# KiCad board EspDevBoard.kicad_pcb
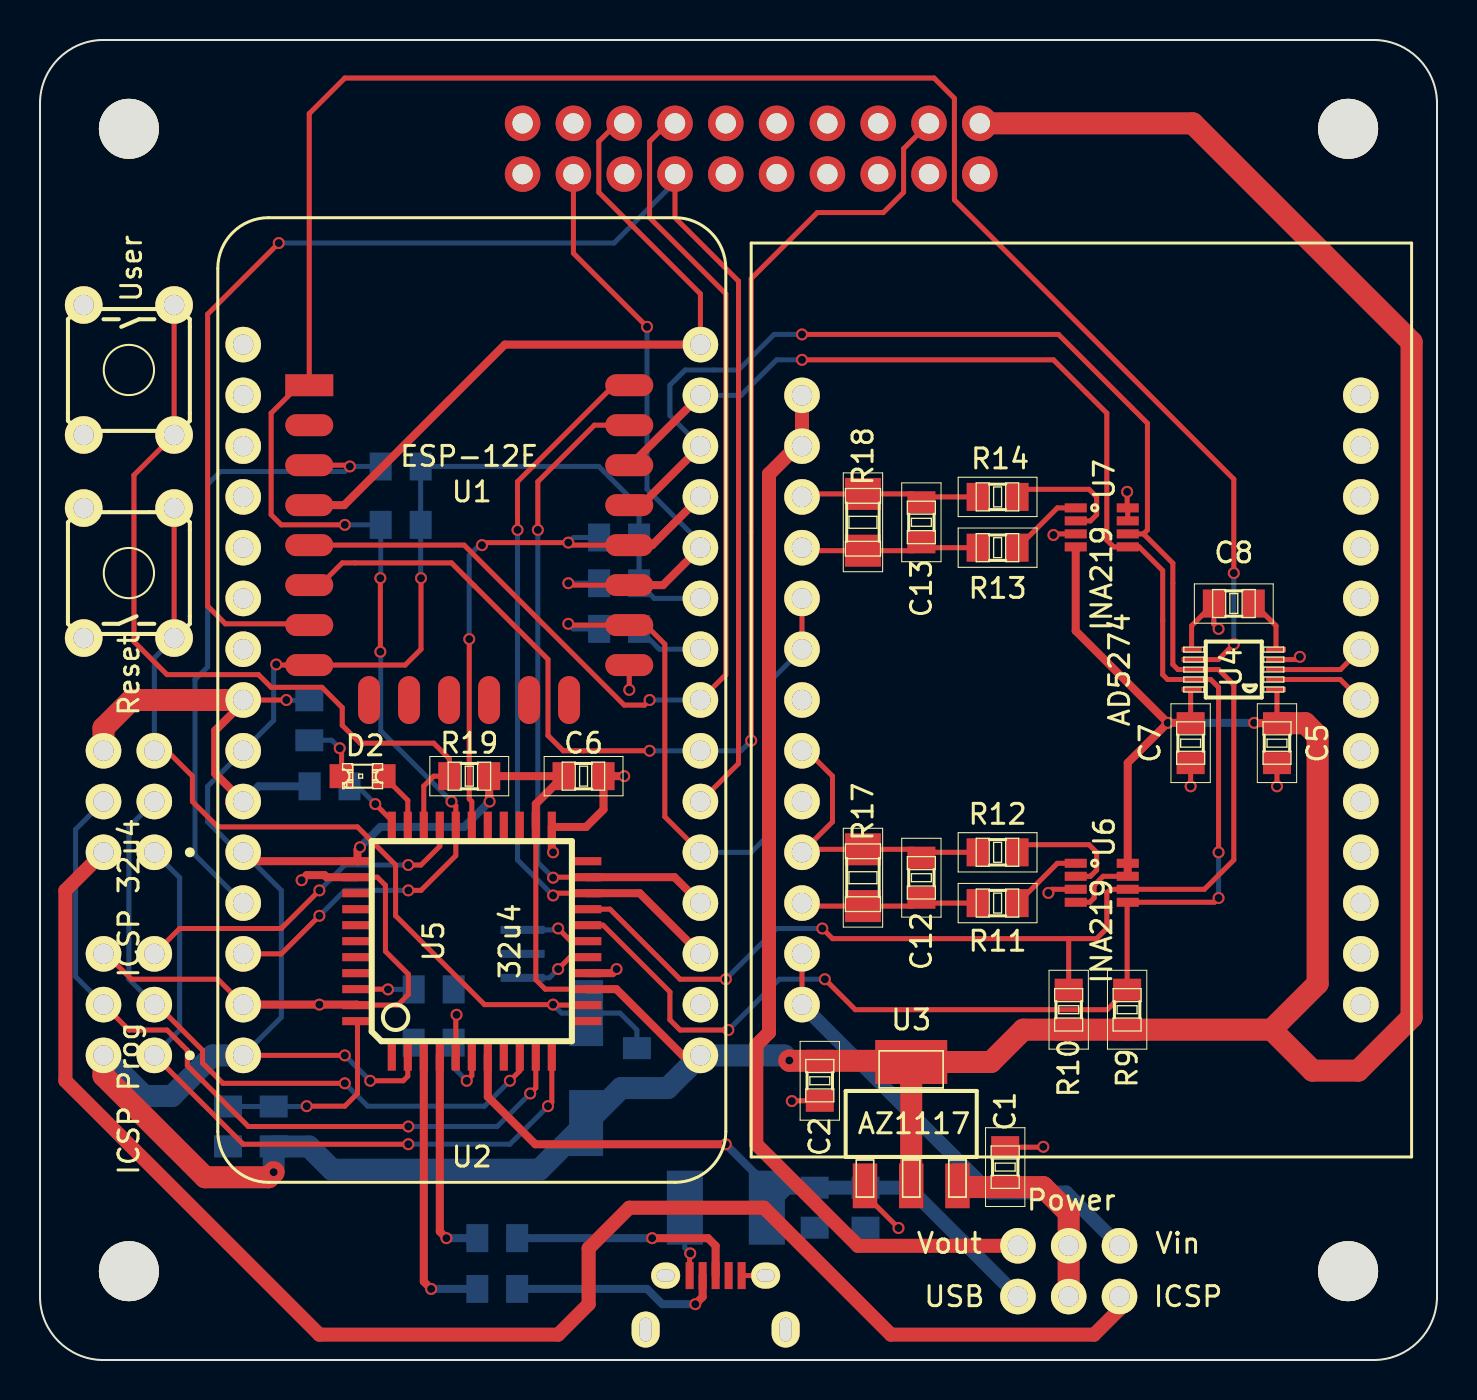
[diagram p0: board, top side]
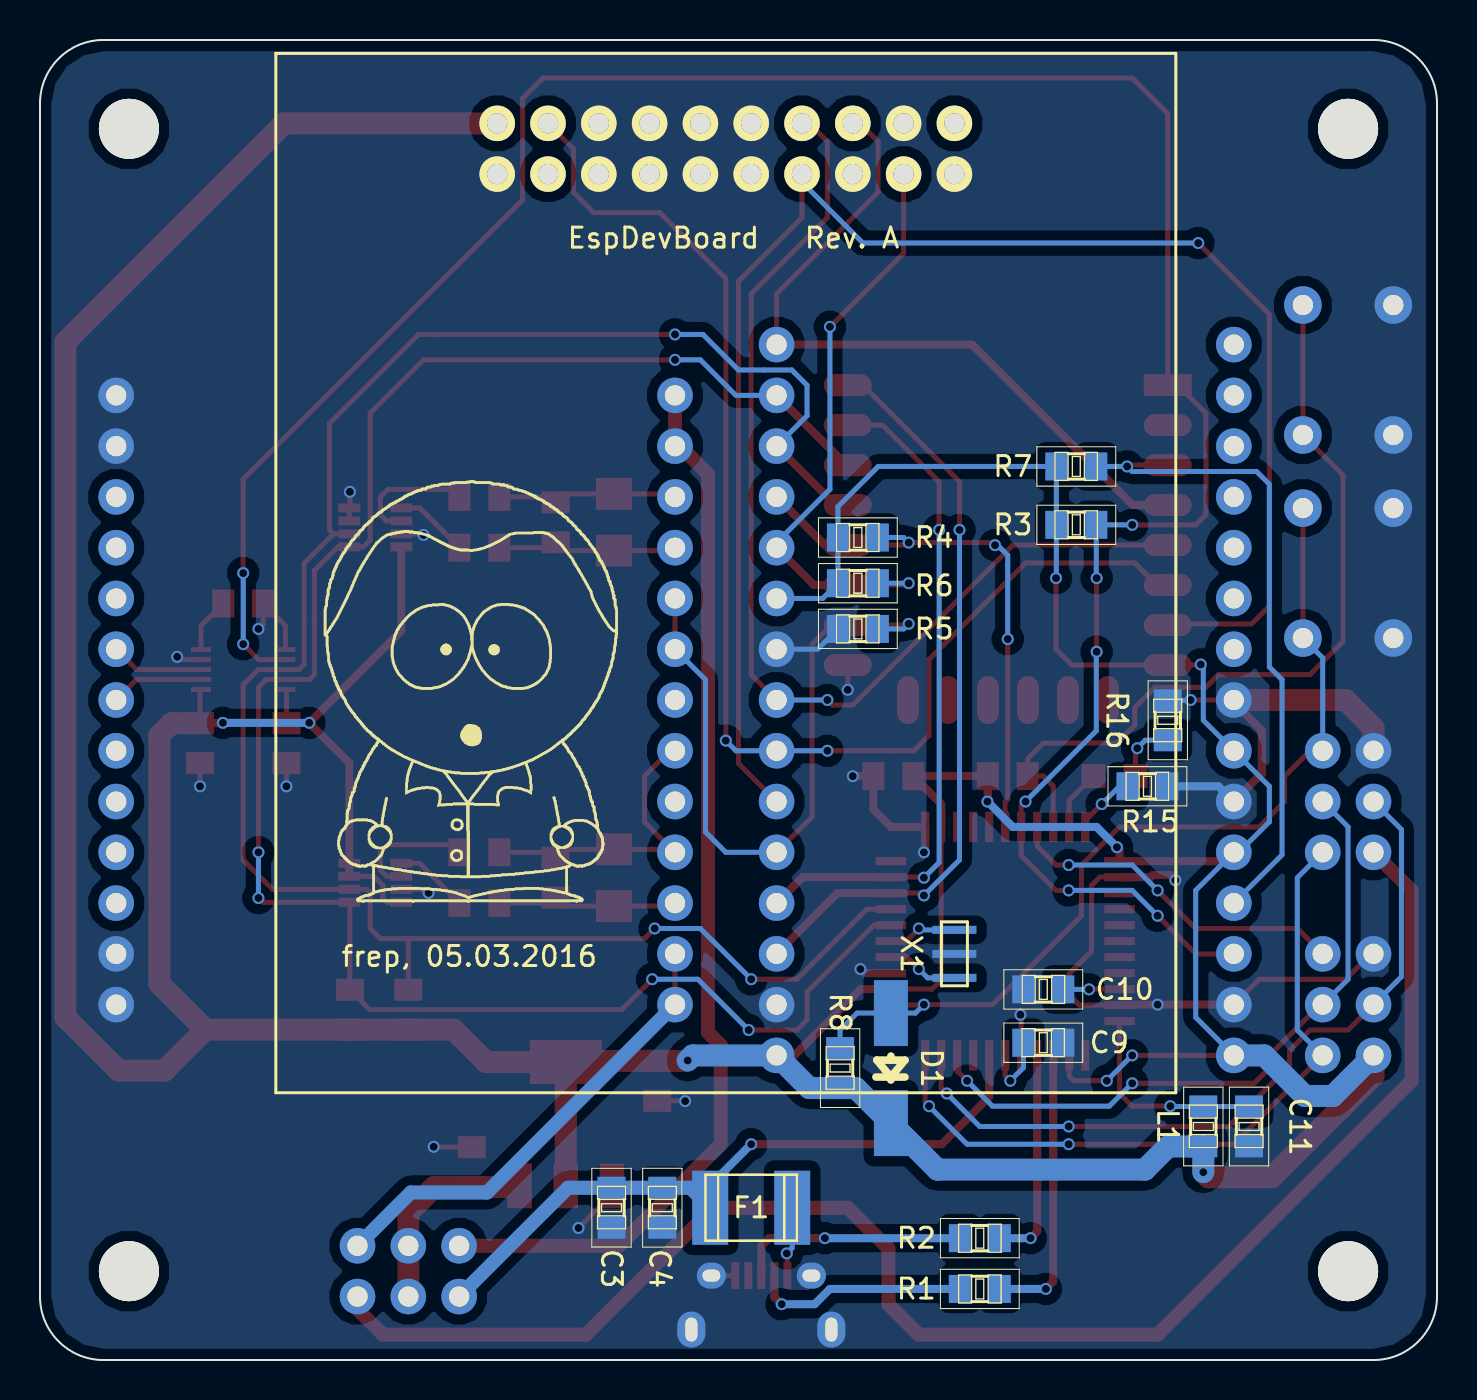
[diagram p1: board, bottom side, seen from below]

Outline 69.85 x 66.04 mm; copper layers: Top, Bottom. Coordinates in mm from the lower left corner of the outline.
Outline path: 0,62.87 arc(0.93,65.11) 3.17,66.04 66.67,66.04 arc(68.92,65.11) 69.85,62.87 69.85,3.18 arc(68.92,0.93) 66.67,0 3.17,0 arc(0.93,0.93) 0,3.18 0,62.87

## Placement (name value [footprint] x y rotation side)
C1  4u7F  [C0805]  48.26 9.65 90 top
C2  4u7F  [C0805]  38.99 13.97 270 top
C3  100nF  [C0805]  41.27 7.62 270 bottom
C4  4u7F  [C0805]  38.73 7.62 270 bottom
C5  10uF  [C0805]  61.85 30.86 270 top
C6  100nF  [C0805]  27.18 29.21 0 top
C7  100nF  [C0805]  57.53 30.86 270 top
C8  1uF  [C0805]  59.69 37.85 180 top
C9  100nF  [C0805]  19.68 15.88 180 bottom
C10  100nF  [C0805]  19.68 18.54 0 bottom
C11  1uF  [C0805]  9.4 11.68 270 bottom
C12  100nF  [C0805]  44.07 24.13 90 top
C13  100nF  [C0805]  44.07 41.91 90 top
CON1  USB-MICRO  [USB_Micro]  33.78 1.52 0 top
D1  DIODE  [Diode-MiniMELF_Handsoldering]  27.3 14.61 270 bottom
D2  LED  [LED-0805]  16.13 29.21 180 top
F1  FUSE  [C1812]  34.29 7.62 180 bottom
ICSP 32u4  ICSP  [Pin_Proto_Straight_2x03]  4.44 27.94 90 top
ICSP Prog  ICSP_P  [Pin_Proto_Straight_2x03]  4.44 17.78 90 top
JP1  JUMPER3  [Pin_Proto_Straight_1x03]  51.43 5.72 180 top
JP2  JUMPER3  [Pin_Proto_Straight_1x03]  51.43 3.18 180 top
L1  INDUCTOR  [C0805]  11.68 11.68 270 bottom
LOGO3  -  [LOGO3]  57.53 45.21 180 bottom
P3  Display  [nhd-1.69-16028UGC3]  35.56 39.37 180 bottom
P4  -  [Sepic_TH]  52.07 33.02 90 top
P5  CONN_1  [MountingHole_3mm]  4.44 4.44 0 top
P6  CONN_1  [MountingHole_3mm]  65.4 4.44 0 top
P7  CONN_1  [MountingHole_3mm]  4.44 61.59 0 top
P8  CONN_1  [MountingHole_3mm]  65.4 61.59 0 top
R1  33  [R0805]  22.86 3.56 0 bottom
R2  33  [R0805]  22.86 6.1 0 bottom
R3  10K  [R0805]  18.03 41.78 180 bottom
R4  10K  [R0805]  28.96 41.15 180 bottom
R5  10K  [R0805]  28.96 36.58 180 bottom
R6  10K  [R0805]  28.96 38.86 180 bottom
R7  10K  [R0805]  18.03 44.7 180 bottom
R8  10K  [R0805]  29.84 14.61 270 bottom
R9  10K  [R0805]  54.36 17.53 90 top
R10  10K  [R0805]  51.43 17.53 90 top
R11  10R  [R0805]  47.88 22.86 0 top
R12  10R  [R0805]  47.88 25.4 0 top
R13  10R  [R0805]  47.88 40.64 0 top
R14  10R  [R0805]  47.88 43.18 0 top
R15  10K  [R0805]  14.48 28.7 180 bottom
R16  330R  [R0805]  13.46 32 90 bottom
R17  0.1R 1%  [R1206]  41.15 24.13 270 top
R18  0.1R 1%  [R1206]  41.15 41.91 270 top
R19  1K  [R0805]  21.46 29.21 180 top
S1  Reset  [TACTILE-PTH]  4.44 39.37 90 top
S2  User  [TACTILE-PTH]  4.44 49.53 270 top
U1  -  [ESP-12E]  13.46 48.77 0 top
U2  NODE_MCU  [NodeMcu]  21.59 33.02 0 top
U3  AZ1117  [SOT223]  43.56 11.81 0 top
U4  AD5274  [MSOP10]  59.69 34.54 90 top
U5  32u4  [TQFP44]  21.59 20.95 90 top
U6  INA219  [SOT-23-8]  53.09 23.88 270 top
U7  INA219  [SOT-23-8]  53.09 41.66 270 top
X1  -  [Resonator]  24.13 20.32 270 bottom

## Library data of the parts
D1 = -: Field4: A; Field5: K

## Footprints (pads in the part's own frame, mm; a bottom-side part is the same pattern mirrored in y, then rotated)
C0805
  rect 1.1x1.4 smd: 1(-0.998,0) 2(0.998,0)
C1812
  rect 1.801x3.701 smd: 1(2.05,0) 2(-2.05,0)
Diode-MiniMELF_Handsoldering
  rect 3.299x1.699 smd: 1(-2.751,0) 2(2.751,0)
ESP-12E
  rect 2.4x1.1 smd: 1(0,0)
  oval 2.4x1.1 smd: 2(0,-2) 3(0,-4) 4(0,-6) 5(0,-8) 6(0,-10) 7(0,-12) 8(0,-14) 15(16,-14) 16(16,-12) 17(16,-10) 18(16,-8) 19(16,-6) 20(16,-4) 21(16,-2) 22(16,0)
  oval 1.1x2.4 smd: 9(2.99,-15.75) 10(4.99,-15.75) 11(6.99,-15.75) 12(8.99,-15.75) 13(10.99,-15.75) 14(12.99,-15.75)
LED-0805
  rect 1.199x1.199 smd: 1(-1.049,0) 2(1.049,0)
MountingHole_3mm
  round 3 hole 3: (0,0)
MSOP10
  rect 0.249x0.998 smd: 1(-0.998,-2.111) 2(-0.498,-2.111) 3(0,-2.111) 4(0.498,-2.111) 5(0.998,-2.111) 6(0.998,2.111) 7(0.498,2.111) 8(0,2.111) 9(-0.498,2.111) 10(-0.998,2.111)
nhd-1.69-16028UGC3
  round 1.778 hole 1.016: 1(-11.43,22.5) 2(-11.43,19.96) 3(-8.89,22.5) 4(-8.89,19.96) 5(-6.35,22.5) 6(-6.35,19.96) 7(-3.81,22.5) 8(-3.81,19.96) 9(-1.27,22.5) 10(-1.27,19.96) 11(1.27,22.5) 12(1.27,19.96) 13(3.81,22.5) 14(3.81,19.96) 15(6.35,22.5) 16(6.35,19.96) 17(8.89,22.5) 18(8.89,19.96) 19(11.43,22.5) 20(11.43,19.96)
NodeMcu
  round 1.778 hole 1.016: 1(-11.43,17.78) 2(11.43,17.78) 3(-11.43,15.24) 4(11.43,15.24) 5(-11.43,12.7) 6(11.43,12.7) 7(-11.43,10.16) 8(11.43,10.16) 9(-11.43,7.62) 10(11.43,7.62) 11(-11.43,5.08) 12(11.43,5.08) 13(-11.43,2.54) 14(11.43,2.54) 15(-11.43,0) 16(11.43,0) 17(-11.43,-2.54) 18(11.43,-2.54) 19(-11.43,-5.08) 20(11.43,-5.08) 21(-11.43,-7.62) 22(11.43,-7.62) 23(-11.43,-10.16) 24(11.43,-10.16) 25(-11.43,-12.7) 26(11.43,-12.7) 27(-11.43,-15.24) 28(11.43,-15.24) 29(-11.43,-17.78) 30(11.43,-17.78)
Pin_Proto_Straight_1x03
  round 1.778 hole 1.016: 1(-2.54,0) 2(0,0) 3(2.54,0)
Pin_Proto_Straight_2x03
  round 1.778 hole 1.016: 1(-2.54,-1.27) 2(-2.54,1.27) 3(0,-1.27) 4(0,1.27) 5(2.54,-1.27) 6(2.54,1.27)
R0805
  rect 1.1x1.4 smd: 1(-0.998,0) 2(0.998,0)
R1206
  rect 1.598x1.801 smd: 1(-1.42,0) 2(1.42,0)
Resonator
  rect 0.4x2.2 smd: 1(-1.2,0) 2(0,0) 3(1.2,0)
Sepic_TH
  round 1.778 hole 1.016: 1(15.24,13.97) 2(15.24,-13.97) 3(12.7,13.97) 4(12.7,-13.97) 5(10.16,13.97) 6(10.16,-13.97) 7(7.62,13.97) 8(7.62,-13.97) 9(5.08,13.97) 10(5.08,-13.97) 11(2.54,13.97) 12(2.54,-13.97) 13(0,13.97) 14(0,-13.97) 15(-2.54,13.97) 16(-2.54,-13.97) 17(-5.08,13.97) 18(-5.08,-13.97) 19(-7.62,13.97) 20(-7.62,-13.97) 21(-10.16,13.97) 22(-10.16,-13.97) 23(-12.7,13.97) 24(-12.7,-13.97) 25(-15.24,13.97) 26(-15.24,-13.97)
SOT223
  rect 1.219x2.235 smd: 1(-2.311,-3.099) 2(0,-3.099) 3(2.311,-3.099)
  rect 3.599x2.2 smd: 4(0,3.099)
SOT-23-8
  rect 0.45x1.1 smd: 1(-0.975,-1.3) 2(-0.325,-1.3) 3(0.325,-1.3) 4(0.975,-1.3) 5(0.975,1.3) 6(0.325,1.3) 7(-0.325,1.3) 8(-0.975,1.3)
TACTILE-PTH
  round 1.88 hole 1.016: 1(-3.251,2.261) 2(3.251,2.261) 3(-3.251,-2.261) 4(3.251,-2.261)
TQFP44
  rect 1.524x0.406 smd: 1(-5.715,4) 2(-5.715,3.2) 3(-5.715,2.4) 4(-5.715,1.6) 5(-5.715,0.8) 6(-5.715,0) 7(-5.715,-0.8) 8(-5.715,-1.6) 9(-5.715,-2.4) 10(-5.715,-3.2) 11(-5.715,-4) 23(5.715,-4) 24(5.715,-3.2) 25(5.715,-2.4) 26(5.715,-1.6) 27(5.715,-0.8) 28(5.715,0) 29(5.715,0.8) 30(5.715,1.6) 31(5.715,2.4) 32(5.715,3.2) 33(5.715,4)
  rect 0.406x1.524 smd: 12(-4,-5.715) 13(-3.2,-5.715) 14(-2.4,-5.715) 15(-1.6,-5.715) 16(-0.8,-5.715) 17(0,-5.715) 18(0.8,-5.715) 19(1.6,-5.715) 20(2.4,-5.715) 21(3.2,-5.715) 22(4,-5.715) 34(4,5.715) 35(3.2,5.715) 36(2.4,5.715) 37(1.6,5.715) 38(0.8,5.715) 39(0,5.715) 40(-0.8,5.715) 41(-1.6,5.715) 42(-2.4,5.715) 43(-3.2,5.715) 44(-4,5.715)
USB_Micro
  rect 0.4x1.35 smd: 1(-1.3,2.7) 2(-0.65,2.7) 3(0,2.7) 4(0.65,2.7) 5(1.3,2.7)
  oval 1.45x1.3 hole 0.9x0.6: 6(-2.5,2.7) 7(2.5,2.7)
  oval 1.4x1.8 hole 0.6x1.2: 8(-3.5,0) 9(3.5,0)

## Nets
3V3: C2.1 C5.1 C6.1 C7.1 D1.2 ICSP Prog.2 L1.2 P3.1 R3.1 R4.1 R6.1 R7.1 R8.2 R9.1 R10.1 R19.1 U1.8 U2.12 U2.17 U2.21 U2.29 U2.30 U3.2 U3.4 U4.1 U4.10 U5.2 U5.14 U5.24 U5.34 U6.4 U6.7 U6.8 U7.4
GND: C1.2 C2.2 C3.2 C4.2 C5.2 C6.2 C7.2 C8.2 C9.2 C10.2 C11.2 CON1.5 CON1.6 CON1.7 CON1.8 CON1.9 ICSP 32u4.6 ICSP Prog.6 P3.2 P3.5 P3.6 P3.7 P3.8 P3.9 P3.10 P3.11 P3.12 P3.16 P3.17 P3.20 P4.2 P4.4 P4.24 P4.26 R5.1 R15.2 R16.2 S1.1 S1.2 S2.3 S2.4 U1.15 U2.14 U2.15 U2.19 U2.27 U2.28 U3.1 U4.4 U4.6 U5.5 U5.15 U5.23 U5.35 U5.43 U6.3 U7.3 U7.7 U7.8 X1.2
VBUS: C3.1 C4.1 F1.2 JP2.3 U5.7
Vin: JP1.1 P4.23 P4.25
Vin+: C12.1 P4.21 R11.1 R17.2
Vin-: C12.2 P4.15 P4.19 R12.1 R17.1
A_MISO: ICSP 32u4.1 ICSP Prog.1 U5.11
A_MOSI: ICSP 32u4.4 ICSP Prog.4 U5.10
A_Reset: D1.1 ICSP 32u4.5 R8.1 S1.3 S1.4 U5.13
A_RX: U1.22 U2.26 U5.20
A_SCK: ICSP 32u4.3 ICSP Prog.3 U5.9
A_TX: U1.21 U2.24 U5.21
BootMode: R4.2 U1.18 U2.8 U5.28
CS: P3.18 R6.2 U1.17 U2.10
D5: R19.2 S2.1 S2.2 U5.31
D+: R2.1 U5.4
D-: R1.1 U5.3
En+: P4.9 P4.11 R5.2 U1.16 U2.22
ESP_En: R7.2 U1.3 U2.23
ESP_Reset: R3.2 U1.1 U2.25 U4.7 U5.29
ICSP_Power: ICSP 32u4.2 JP2.1
MOSI: P3.14 U1.7 U2.20
R2+: P4.14 U4.2
R2-: P4.12 U4.3
RES: P3.15 U1.4 U2.2
RS: P3.3 U1.6 U2.18
SCL: R9.2 U1.20 U2.4 U4.9 U5.18 U6.5 U7.5
SCLK: P3.13 U1.5 U2.16
SDA: R10.2 U1.19 U2.6 U4.8 U5.19 U6.6 U7.6
SLV_Reset: ICSP Prog.5 U5.30
Vout: JP1.3 P4.1 P4.3
Vout+: C13.1 P4.7 R13.1 R18.2
Vout-: C13.2 P4.5 R14.1 R18.1
Net-(C1-Pad1): C1.1 JP1.2 JP2.2 U3.3
Net-(C8-Pad1): C8.1 U4.5
Net-(C9-Pad1): C9.1 U5.6
Net-(C10-Pad1): C10.1 U5.42
Net-(C11-Pad1): C11.1 L1.1 U5.44
Net-(CON1-Pad1): CON1.1 F1.1
Net-(CON1-Pad2): CON1.2 R1.2
Net-(CON1-Pad3): CON1.3 R2.2
Net-(CON1-Pad4): CON1.4
Net-(D2-Pad1): D2.1 U5.32
Net-(D2-Pad2): D2.2 R16.1
Net-(P3-Pad4): P3.4
Net-(P3-Pad19): P3.19
Net-(P4-Pad6): P4.6
Net-(P4-Pad8): P4.8
Net-(P4-Pad10): P4.10
Net-(P4-Pad13): P4.13
Net-(P4-Pad16): P4.16
Net-(P4-Pad17): P4.17
Net-(P4-Pad18): P4.18
Net-(P4-Pad20): P4.20
Net-(P4-Pad22): P4.22
Net-(R11-Pad2): R11.2 U6.1
Net-(R12-Pad2): R12.2 U6.2
Net-(R13-Pad2): R13.2 U7.1
Net-(R14-Pad2): R14.2 U7.2
Net-(R15-Pad1): R15.1 U5.33
Net-(U1-Pad2): U1.2
Net-(U1-Pad9): U1.9
Net-(U1-Pad10): U1.10
Net-(U1-Pad11): U1.11
Net-(U1-Pad12): U1.12
Net-(U1-Pad13): U1.13
Net-(U1-Pad14): U1.14
Net-(U2-Pad1): U2.1
Net-(U2-Pad3): U2.3
Net-(U2-Pad5): U2.5
Net-(U2-Pad7): U2.7
Net-(U2-Pad9): U2.9
Net-(U2-Pad11): U2.11
Net-(U2-Pad13): U2.13
Net-(U5-Pad1): U5.1
Net-(U5-Pad8): U5.8
Net-(U5-Pad12): U5.12
Net-(U5-Pad16): U5.16 X1.3
Net-(U5-Pad17): U5.17 X1.1
Net-(U5-Pad22): U5.22
Net-(U5-Pad25): U5.25
Net-(U5-Pad26): U5.26
Net-(U5-Pad27): U5.27
Net-(U5-Pad36): U5.36
Net-(U5-Pad37): U5.37
Net-(U5-Pad38): U5.38
Net-(U5-Pad39): U5.39
Net-(U5-Pad40): U5.40
Net-(U5-Pad41): U5.41

## Via types
v1: diameter 0.6, hole 0.4, Top to Bottom, 81 vias

## Routing (per net, layer and track width the routed paths; a pad name or vN(x,y) marks a point on that pad's centre or on a via; arc(x,y) is an arc through that point)
3V3: length 313.9
  Top w0.25: 22.46,27.96 v1(22.48,27.94) ; v1(16,25.65) 15.87,25.53 ; v1(11.81,34.8) 11.84,34.77 U1.8 ; 39.05,14.91 C2.1 ; 10.6,24.96 U2.21 ; U5.24 24.79,19.02 25.26,18.55 U5.14 ; U6.7 53.16,24.2 52.7,23.75 52.7,23.11 52.49,22.9 U6.4 ; 60.72,31.86 v1(60.71,31.88) ; 54.36,24.88 U6.8 ; 51.82,40.65 U7.4 ; U4.10 57.53,33.5 C7.1 ; U4.1 61.85,33.5 C5.1 ; v1(16.51,13.97) 18.16,13.97 18.39,14.2 U5.2 ; v1(15.24,15.24) U2.29 ; U1.8 18.26,34.77 19.05,35.56 v1(19.05,39.12) ; U1.8 12.29,34.77
  Top w0.4: U2.30 32.13,15.24 28.82,18.55 U5.14 ; v1(56.39,31.88) 54.39,29.88 U6.8 U6.7 ; v1(56.39,31.88) 51.79,36.48 U7.4 ; v1(56.39,31.88) 57.51,31.88 C7.1 ; v1(60.71,31.88) 60.72,31.86 C5.1 ; 10.6,24.96 U2.21 10.6,24.96 ; 10.6,24.96 U5.34 15.87,25.53 v1(16,25.65) ; 22.46,27.96 v1(22.48,27.94) 22.46,27.96 ; 22.46,27.96 R19.1 C6.1 24.79,27.82 U5.24
  Top w1.1: U3.4 47.55,14.91 49.17,16.53 R10.1 R9.1 61.58,16.53 ; U3.4 43.5,14.97 C2.1 37.48,14.97 v1(37.46,14.99) ; U3.4 U3.2 ; 61.58,16.53 63.88,18.83 63.88,31.24 63.26,31.86 C5.1 ; 61.58,16.53 63.63,14.48 65.91,14.48 68.58,17.15 68.58,50.93 57.64,61.87 P3.1 ; v1(11.68,9.4) 11.43,9.14 8.26,9.14 3.17,14.22 ICSP Prog.2
  Bottom w0.25: U2.29 12.07,17.15 12.07,23.5 U2.21 9.91,25.4 8.38,26.92 8.38,28.7 U2.17 11.68,32 11.68,34.67 v1(11.81,34.8) ; 29.95,13.72 R8.2 ; 27.39,11.94 D1.2 ; v1(16.51,13.97) v1(15.24,15.24) ; v1(19.05,39.12) 19.03,39.13 R3.1 R7.1 27.94,44.7 29.95,42.69 R4.1 R6.1 30.72,38.1 U2.12 ; 29.7,40.89 30.23,40.89 ; L1.2 11.92,10.69 ; U2.30 32.72,15.24
  Bottom w0.4: v1(22.48,27.94) 21.21,26.67 17.02,26.67 v1(16,25.65) ; v1(56.39,31.88) v1(60.71,31.88)
  Bottom w1.1: v1(37.46,14.99) 37.21,15.24 U2.30 31.39,13.61 R8.2 29.06,13.61 D1.2 24.98,9.53 14.61,9.53 13.44,10.69 L1.2 v1(11.68,9.4) ; ICSP Prog.2 5.21,13.21 6.6,13.21 8.64,15.24 U2.29
GND: length 83.3
  Top w0.25: v1(29.46,33.53) 29.46,33.53 U1.15 ; v1(42.93,6.6) 41.25,8.28 U3.1 ; v1(37.59,12.95) 37.61,12.97 C2.2 ; v1(58.93,36.58) 58.69,36.81 C8.2 57.58,36.73 U4.6 ; 10.19,17.75 U2.27 8.89,19.05 4.57,19.05 3.3,20.32 ICSP Prog.6 ; v1(20.83,17.27) 20.79,17.23 U5.5 ; v1(50.42,23.37) 50.6,23.55 U6.3 ; v1(50.67,41.28) 50.73,41.33 U7.3 ; v1(54.36,43.43) 54.36,42.66 U7.8 U7.7 ; v1(62.99,35.18) 62.85,35.04 U4.4 ; v1(50.17,10.67) 50.15,10.65 C1.2 ; v1(12.32,33.02) U2.15 ; U5.43 17.88,17.75 18.42,18.29 18.42,19.3 17.27,20.45 17.27,23.75 16.87,24.16 U5.35 ; C5.2 v1(61.85,28.7) ; C7.2 v1(57.53,28.7) ; CON1.5 CON1.7
  Top w0.4: v1(13.08,24) 13.33,24.26 14.22,24.26 14.33,24.16 U5.35 ; U2.15 10.16,32.89 8.76,31.5 8.76,29.34 U2.19 ; v1(25.65,25.4) 25.59,25.46 U5.23 27.3,26.67 28.18,27.54 C6.2 v1(29.21,29.21) ; v1(28.83,19.56) 28.63,19.35 U5.15 ; U5.43 15.85,17.78 v1(13.97,17.78) U2.27
  Top w1.1: ICSP 32u4.6 3.17,31.62 4.57,33.02 U2.15
  Bottom w0.25: R5.1 30.97,35.56 U2.14 ; v1(12.32,33.02) 12.34,33 R16.2
  Bottom w0.4: U2.19 10.92,28.7 R15.2
VBUS: length 34.2
  Top w0.4: v1(34.29,10.8) 24.77,10.8 22.39,13.17 U5.7
  Bottom w0.25: F1.2 36.34,7.64
  Bottom w0.4: v1(34.29,10.8) 36.34,8.75 F1.2
  Bottom w0.7: F1.2 37.34,8.62 C4.1 C3.1 43.45,8.62 JP2.3
Vin: length 23.4
  Top w0.25: P4.25 P4.23
  Bottom w0.7: 53.98,5.72 51.31,8.38 47.5,8.38 P4.25
Vin+: length 10.1
  Top w0.25: 44.21,22.86 43.94,23.13 ; 41.57,23.13 R17.2 ; R17.2 38.25,22.71 P4.21 ; R17.2 43.65,22.71 C12.1 44.34,22.86 R11.1
Vin-: length 16.9
  Top w0.25: 44.21,25.4 43.94,25.13 ; 41.57,25.13 R17.1 ; R17.1 38.25,25.55 P4.19 ; R17.1 43.65,25.55 C12.2 44.34,25.4 R12.1 ; P4.19 39.62,26.92 39.62,29.21 38.35,30.48 P4.15 ; P4.19 37.85,25.4
A_MISO: length 36.1
  Top w0.25: v1(18.42,10.8) 10.16,10.8 5.72,15.24 ; v1(25.4,12.7) 25.59,12.89 U5.11
  Bottom w0.25: 5.72,15.24 6.98,16.51 6.98,24.13 5.72,25.4 ; v1(18.42,10.8) 23.49,10.8 v1(25.4,12.7)
A_MOSI: length 38.3
  Top w0.25: ICSP Prog.4 4.44,16.51 6.35,16.51 7.37,15.49 7.37,14.73 10.41,11.68 v1(18.42,11.68) ; v1(24.51,13.34) 24.79,13.61 U5.10
  Bottom w0.25: v1(18.42,11.68) 22.86,11.68 v1(24.51,13.34) ; ICSP 32u4.4 1.78,26.54 1.78,19.18 ICSP Prog.4
A_Reset: length 48.2
  Top w0.25: U5.13 25.68,17.75 v1(25.65,17.78) 22.23,17.78 17.78,22.23 17.78,24.77 15.87,26.67 8.89,26.67 7.62,27.94 7.62,29.21 6.35,30.48 5.72,30.48 ; S1.4 S1.3
  Bottom w0.25: D1.1 29,17.36 29.84,16.51 R8.1 ; D1.1 27.33,17.38 ; D1.1 27.3,16.64 ; D1.1 26.08,17.36 v1(25.65,17.78) ; 29.99,15.24 29.84,15.38 ; S1.3 5.72,35.13 5.72,30.48
A_RX: length 37.8
  Top w0.25: v1(25.65,23.24) 25.77,23.36 U5.20 ; 23.88,43.94 28.7,48.77 U1.22 ; 23.88,43.94 v1(23.88,41.53) ; 23.88,43.94 23.88,43.81
  Top w0.4: U2.26 29.98,23.36 U5.20
  Bottom w0.25: v1(25.65,23.24) 23.88,25.02 v1(23.88,41.53)
A_SCK: length 33.5
  Top w0.25: v1(23.49,13.97) 23.99,14.47 U5.9 ; v1(15.24,13.84) 9.14,13.84 8.13,14.86 8.13,15.49 5.84,17.78 5.72,17.78
  Bottom w0.25: 5.72,17.78 4.44,19.05 4.44,26.67 5.72,27.94 ; v1(23.49,13.97) 22.23,12.7 16.38,12.7 v1(15.24,13.84)
A_TX: length 33.8
  Top w0.25: v1(25.65,24.13) 25.68,24.16 U5.21 ; U1.21 27.72,46.77 24.89,43.94 v1(24.89,41.53)
  Top w0.4: U2.24 31.72,24.16 U5.21
  Bottom w0.25: v1(25.65,24.13) 24.89,24.89 v1(24.89,41.53)
BootMode: length 28.3
  Top w0.25: 32.89,43.31 U2.8 ; v1(21.46,36.07) 21.46,28.07 21.59,27.94 U5.28 ; v1(22.1,40.77) 22.23,40.89 v1(26.42,40.89) 26.54,40.77 U1.18
  Top w0.4: U2.8 30.61,40.77 U1.18
  Bottom w0.25: v1(26.42,40.89) 26.67,41.15 R4.2 ; v1(21.46,36.07) 21.46,40.26 21.97,40.77 v1(22.1,40.77)
CS: length 30.3
  Top w0.25: v1(26.42,38.86) 26.51,38.77 U1.17 ; v1(30.35,51.69) 26.67,55.37 P3.18
  Top w0.4: U2.10 31.15,38.77 U1.17
  Bottom w0.25: v1(26.42,38.86) R6.2 ; v1(30.35,51.69) 30.35,43.56 33.02,40.89 U2.10
D5: length 40.8
  Top w0.25: U5.31 19.19,28.71 19.68,29.21 R19.2 20.46,30.08 19.68,30.86 16,30.86 15.11,31.75 15.11,32.64 14.1,33.66 11.56,33.66 10.92,34.29 6.35,34.29 4.7,35.94 4.7,44.27 S2.2 S2.1
D+: length 10.8
  Top w0.4: v1(20.32,6.1) 19.99,6.43 U5.4
  Bottom w0.4: v1(20.32,6.1) R2.1
D-: length 14.1
  Top w0.4: v1(19.56,3.56) 19.19,3.92 U5.3
  Bottom w0.4: v1(19.56,3.56) R1.1
En+: length 34.3
  Top w0.25: v1(26.42,36.83) 26.48,36.77 U1.16 30.29,36.77 31.24,35.81 31.24,27.18 U2.22 ; P4.11 P4.9
  Bottom w0.25: v1(26.42,36.83) 26.67,36.58 R5.2 ; P4.11 36.58,34.04 36.58,26.42 35.56,25.4 U2.22
ESP_En: length 33.3
  Top w0.25: v1(15.49,44.7) 15.43,44.77 U1.3
  Bottom w0.25: R7.2 v1(15.49,44.7) 15.24,44.45 9.02,44.45 8.38,43.81 8.38,34.67 7.75,34.04 7.75,25.27 U2.23
ESP_Reset: length 126.6
  Top w0.25: v1(20.57,27.94) 20.79,27.72 U5.29 20.79,25.23 19.05,23.5 v1(18.42,23.5) ; v1(15.24,41.78) 12.07,41.78 11.56,42.29 11.56,47.37 12.95,48.77 U1.1 13.46,62.36 15.24,64.14 44.7,64.14 45.72,63.12 45.72,58.04 59.69,44.07 v1(59.69,39.37) ; v1(13.97,22.23) 12.07,20.32 U2.25 ; v1(59.69,35.81) 58.92,35.04 U4.7 ; v1(17.02,35.43) v1(17.02,39.12)
  Bottom w0.25: v1(20.57,27.94) 17.04,31.48 17.04,35.42 v1(17.02,35.43) ; v1(15.24,41.78) R3.2 17.04,39.13 v1(17.02,39.12) ; v1(13.97,22.23) 15.24,23.5 v1(18.42,23.5) ; v1(59.69,35.81) v1(59.69,39.37)
ICSP_Power: length 78.2
  Top w0.7: 53.98,3.18 53.98,2.54 52.7,1.27 42.55,1.27 36.2,7.62 29.46,7.62 27.43,5.59 27.43,2.79 25.91,1.27 13.97,1.27 1.27,13.97 1.27,23.5 ICSP 32u4.2
MOSI: length 80.1
  Top w0.25: U2.20 34.92,29.84 34.92,53.98 31.75,57.15 P3.14 ; v1(11.94,55.88) 8.38,52.32 8.38,37.72 9.27,36.83 13.4,36.83 U1.7
  Bottom w0.25: v1(11.94,55.88) 28.7,55.88 31.75,58.93 P3.14
R2+: length 4.7
  Top w0.25: P4.14 65.01,34.05 U4.2
R2-: length 4.7
  Top w0.25: P4.12 65.02,34.54 U4.3
RES: length 36.8
  Top w0.25: U2.2 33.02,53.34 27.94,58.42 27.94,60.96 28.85,61.87 P3.15
  Top w0.4: U2.2 23.24,50.8 15.21,42.77 U1.4
RS: length 65.4
  Top w0.25: v1(30.48,30.48) 26.16,30.48 25.4,31.24 25.4,35.05 21.72,38.73 ; 21.72,38.73 21.68,38.77 ; 21.72,38.73 20.57,39.88 15.11,39.88 14,38.77 U1.6 ; v1(35.56,30.99) 35.56,54.1 38.86,57.4 42.16,57.4 43.18,58.42 43.18,60.6 P3.3
  Bottom w0.25: v1(35.56,30.99) 35.05,30.48 U2.18 v1(30.48,30.48)
SCL: length 97
  Top w0.25: v1(34.42,16.51) 32,16.51 31.5,17.02 31.5,18.42 28.16,21.76 U5.18 ; v1(39.24,19.05) 40.77,17.53 53.36,17.53 R9.2 54.36,22.87 U6.5 58.71,22.9 v1(58.93,23.11) ; 56.13,37.08 56.13,36.96 ; 56.13,36.96 56.13,34.29 56.38,34.05 U4.9 58.54,34.05 58.93,33.66 v1(58.93,25.4) ; 56.13,36.96 56.13,39.5 54.95,40.68 U7.5 53.68,40.68 53.34,41.02 53.34,47.37 50.67,50.04 v1(38.1,50.04)
  Top w0.4: U2.4 29.53,44.77 U1.20
  Bottom w0.25: v1(34.42,16.51) 36.96,19.05 v1(39.24,19.05) ; v1(38.1,50.04) 36.83,50.04 35.05,48.26 U2.4 ; v1(58.93,25.4) v1(58.93,23.11)
SCLK: length 54.7
  Top w0.25: v1(30.48,33.02) 30.23,32.77 29.21,32.77 21.21,40.77 U1.5 ; U2.16 34.29,34.29 34.29,53.34 30.48,57.15 30.48,60.96 31.39,61.87 P3.13
  Bottom w0.25: U2.16 v1(30.48,33.02)
SDA: length 101.9
  Top w0.25: 32.61,45.31 U2.6 ; v1(38.1,51.31) 50.93,51.31 55.37,46.86 55.37,41.53 55.17,41.33 ; 51.43,21.08 39.62,21.08 v1(39.12,21.59) ; 51.43,21.08 52.83,21.08 53.34,21.59 53.34,23.37 53.52,23.55 U6.6 58.22,23.55 59.69,25.02 59.69,33.78 58.93,34.54 U4.8 56.9,34.54 56.64,34.8 56.64,39.86 55.17,41.33 ; 51.43,21.08 R10.2 ; 55.17,41.33 U7.6 ; U5.19 28.5,22.56 32,19.05 v1(34.29,19.05)
  Top w0.4: U2.6 30.07,42.77 U1.19
  Bottom w0.25: v1(38.1,51.31) 36.7,51.31 34.92,49.53 32.26,49.53 31.5,48.77 31.5,47.24 U2.6 ; v1(34.29,19.05) 36.83,21.59 v1(39.12,21.59)
SLV_Reset: length 17.5
  Top w0.25: v1(13.97,23.5) 12.07,21.59 6.98,21.59 5.72,20.32 ; v1(18.42,24.77) 19.05,24.77 19.99,25.7 U5.30
  Bottom w0.25: v1(13.97,23.5) 15.24,24.77 v1(18.42,24.77)
Vout: length 54.4
  Top w0.25: P4.3 37.46,45.72
  Top w0.7: JP1.3 40.89,5.72 35.81,10.8 35.81,15.75 36.45,16.38 36.45,44.32 37.85,45.72 P4.3 P4.1
Vout+: length 9.7
  Top w0.25: 41.57,40.91 R18.2 ; R18.2 38.25,40.49 P4.7 ; R18.2 43.65,40.49 C13.1 44.34,40.64 R13.1
Vout-: length 10.1
  Top w0.25: 43.96,43.18 43.69,42.91 ; 41.57,42.91 R18.1 ; R18.1 38.25,43.33 P4.5 ; R18.1 43.65,43.33 C13.2 44.34,43.18 R14.1
Net-(C1-Pad1): length 10.4
  Top w0.25: 45.93,8.65 U3.3
  Top w1.1: U3.3 45.93,8.65 C1.1 50.15,8.65 51.43,7.37 JP1.2 JP2.2
Net-(C8-Pad1): length 2.8
  Top w0.25: C8.1 61.8,36.73 U4.5
Net-(C9-Pad1): length 3.6
  Top w0.25: v1(21.34,13.97) 21.59,14.22 U5.6
  Bottom w0.25: v1(21.34,13.97) 20.68,14.62 C9.1
Net-(C10-Pad1): length 2.8
  Top w0.25: v1(17.4,18.54) 17.39,18.55 U5.42
  Bottom w0.25: v1(17.4,18.54) C10.1
Net-(C11-Pad1): length 10.4
  Top w0.25: v1(13.33,12.7) 15.24,12.7 15.87,13.34 U5.44
  Bottom w0.25: v1(13.33,12.7) 13.32,12.68 L1.1 C11.1
Net-(CON1-Pad1): length 3.5
  Top w0.25: v1(32.51,5.33) 32.48,5.3 CON1.1
  Bottom w0.25: v1(32.51,5.33) 32.24,5.61 F1.1
Net-(CON1-Pad2): length 10.8
  Top w0.4: v1(32.77,2.79) 33.13,3.16 CON1.2
  Bottom w0.4: v1(32.77,2.79) 31.11,2.79 30.35,3.56 R1.2
Net-(CON1-Pad3): length 11.6
  Top w0.4: v1(30.61,6.1) 33.4,6.1 33.78,5.72 CON1.3
  Bottom w0.4: v1(30.61,6.1) R2.2
Net-(D2-Pad1): length 3
  Top w0.25: D2.1 18.39,28 U5.32
Net-(D2-Pad2): length 3.1
  Top w0.25: v1(14.99,30.61) 15.08,30.51 D2.2
  Bottom w0.25: v1(14.99,30.61) 14.59,31.01 R16.1
Net-(R11-Pad2): length 3.7
  Top w0.25: R11.2 50.87,24.85 U6.1
Net-(R12-Pad2): length 7.1
  Top w0.25: R12.2 49.26,25.78 52.45,25.78 52.83,25.4 52.83,24.51 52.52,24.2 U6.2 ; 49,25.65 48.75,25.4 49,25.65
Net-(R13-Pad2): length 3.7
  Top w0.25: R13.2 50.87,42.63 U7.1
Net-(R14-Pad2): length 6.3
  Top w0.25: R14.2 49.26,43.56 52.45,43.56 52.83,43.18 52.83,42.29 52.52,41.98 U7.2
Net-(R15-Pad1): length 3.1
  Top w0.25: v1(16.76,27.81) 17.59,26.99 U5.33
  Bottom w0.25: v1(16.76,27.81) 15.87,28.7 R15.1
Net-(U5-Pad16): length 3.6
  Top w0.25: v1(25.91,19.56) 26.5,20.15 U5.16
  Bottom w0.25: v1(25.91,19.56) 25.47,19.12 X1.3
Net-(U5-Pad17): length 3.5
  Top w0.25: v1(25.91,21.59) 26.54,20.95 U5.17
  Bottom w0.25: v1(25.91,21.59) 25.84,21.52 X1.1

## Copper pours and planes (outline as drawn; the poured copper is in the pictures)
GND on Bottom: 71.25,-0.25 -1.02,-0.25 -0.89,65.79 -0.89,66.42 70.99,66.29

## Text on the board
B.SilkS: EspDevBoard   Rev. A | frep, 05.03.2016
F.SilkS: Vout | USB | Power | Vin | ICSP
